# KiCad board panel.kicad_pcb (continued)
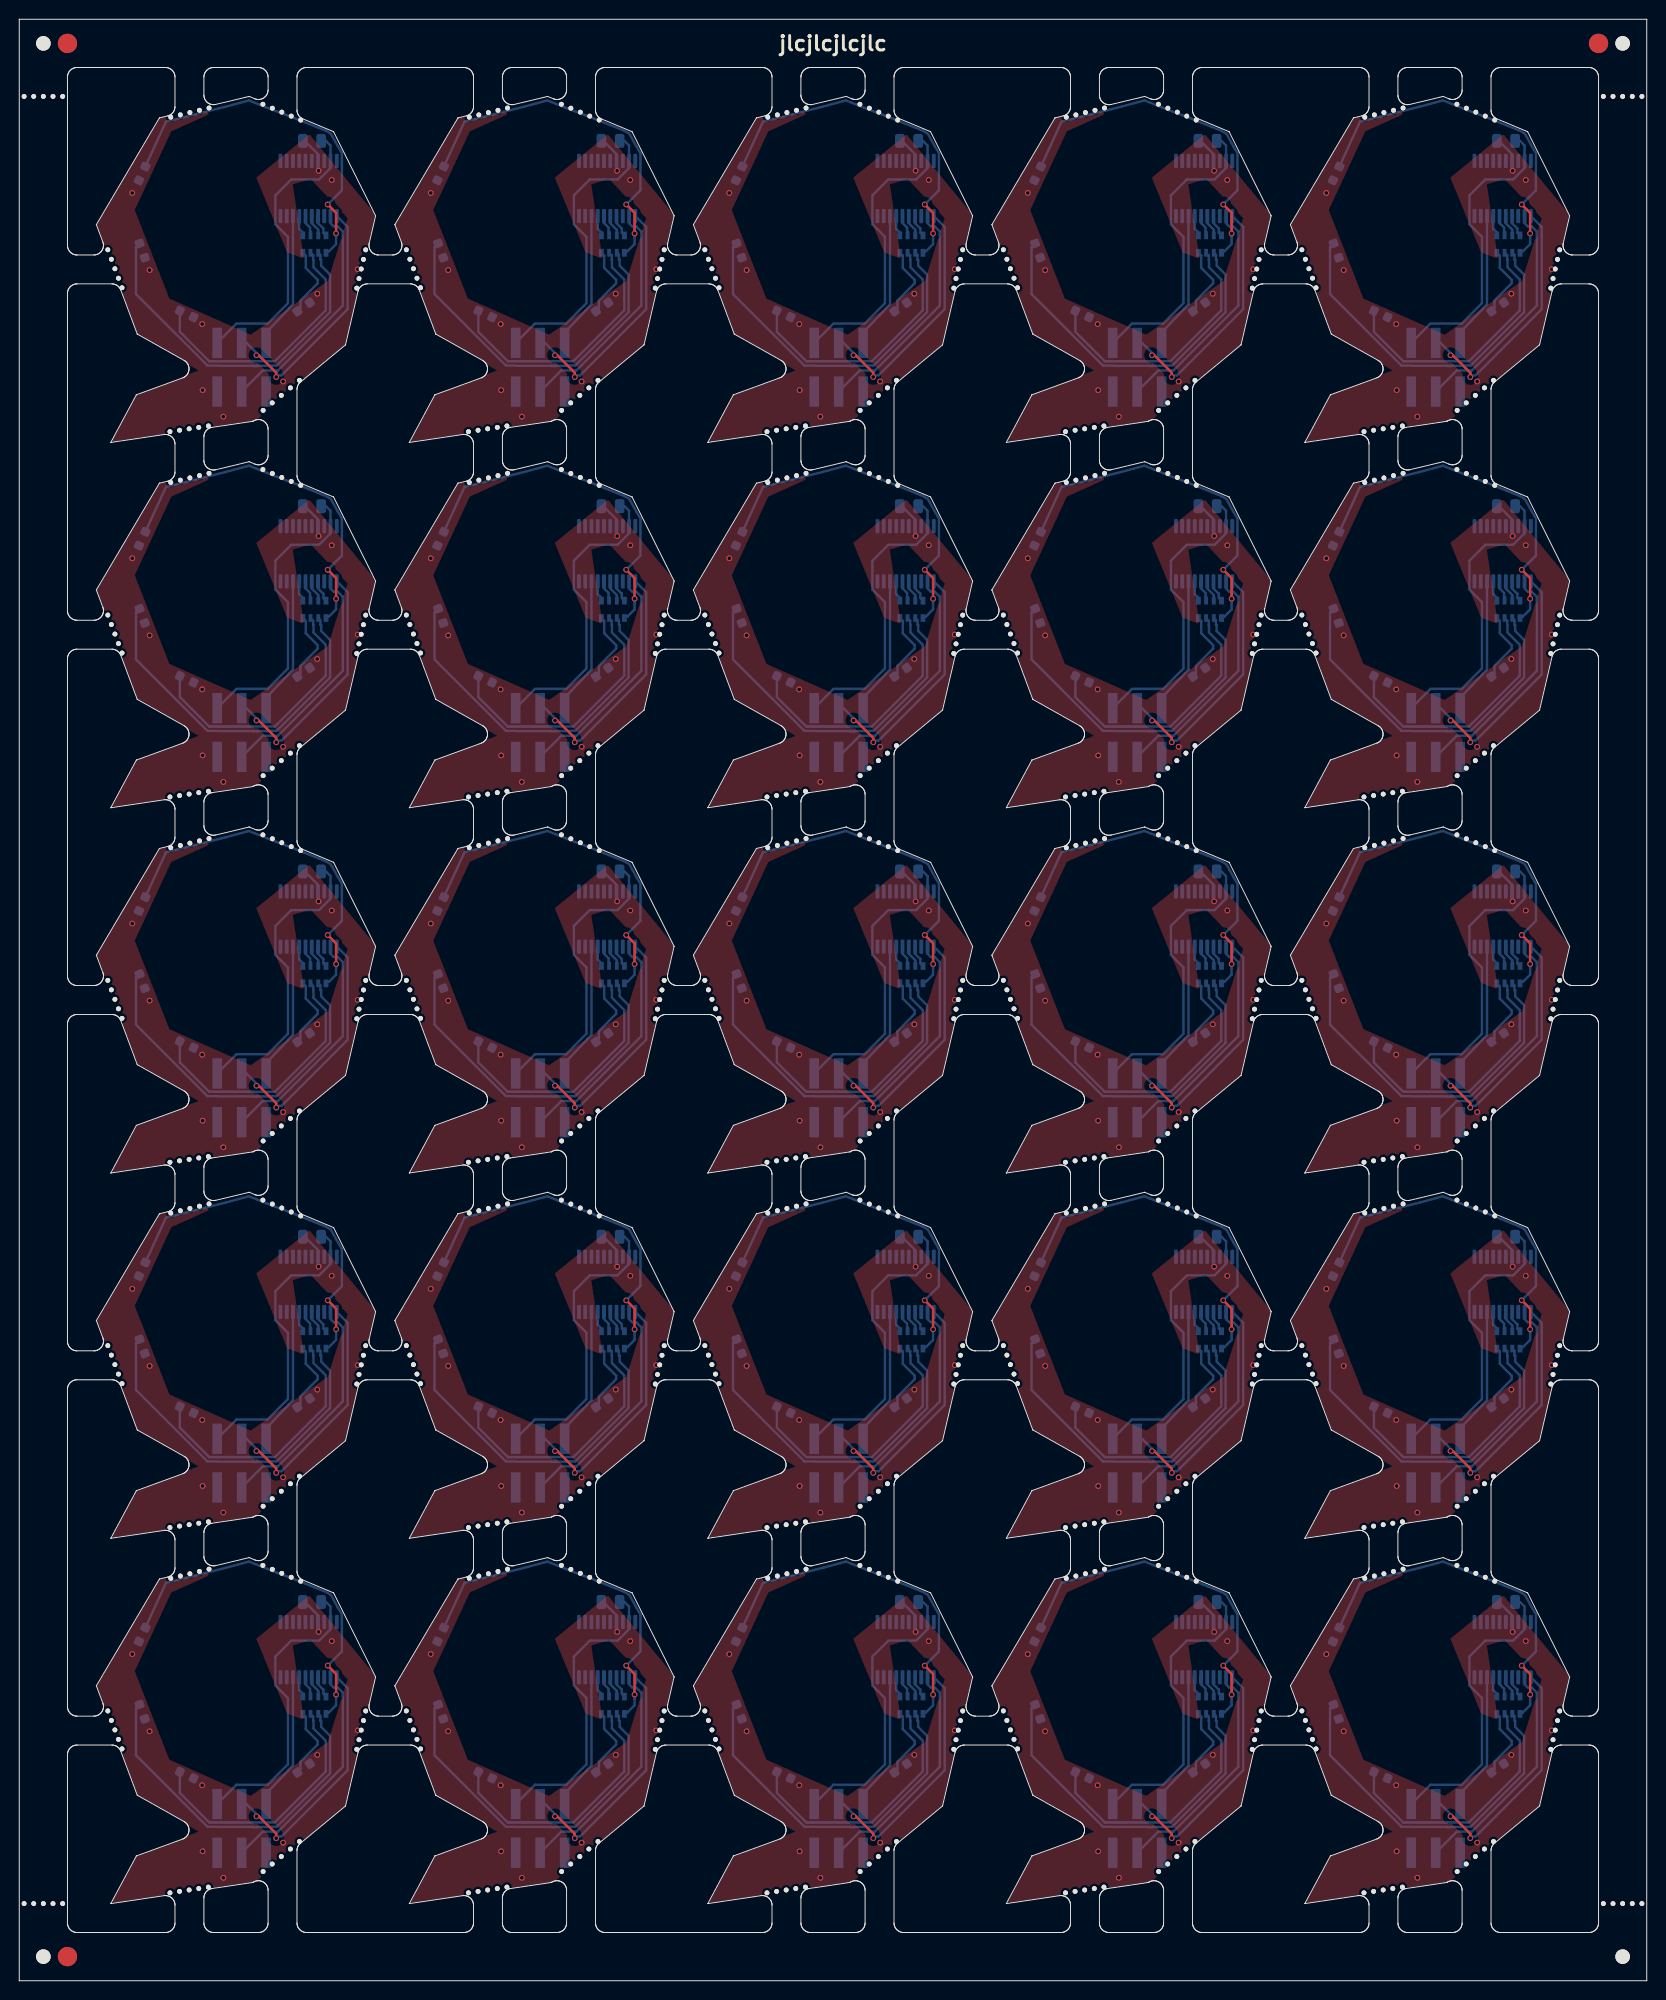
[diagram p0: board, top side]
## Text on the board
B.Silkscreen: jlcjlcjlcjlc | 1
F.Silkscreen: jlcjlcjlcjlc
